# Altium PCB RockerBox_Rev01.PcbDoc (part 6 of 8) (continued)
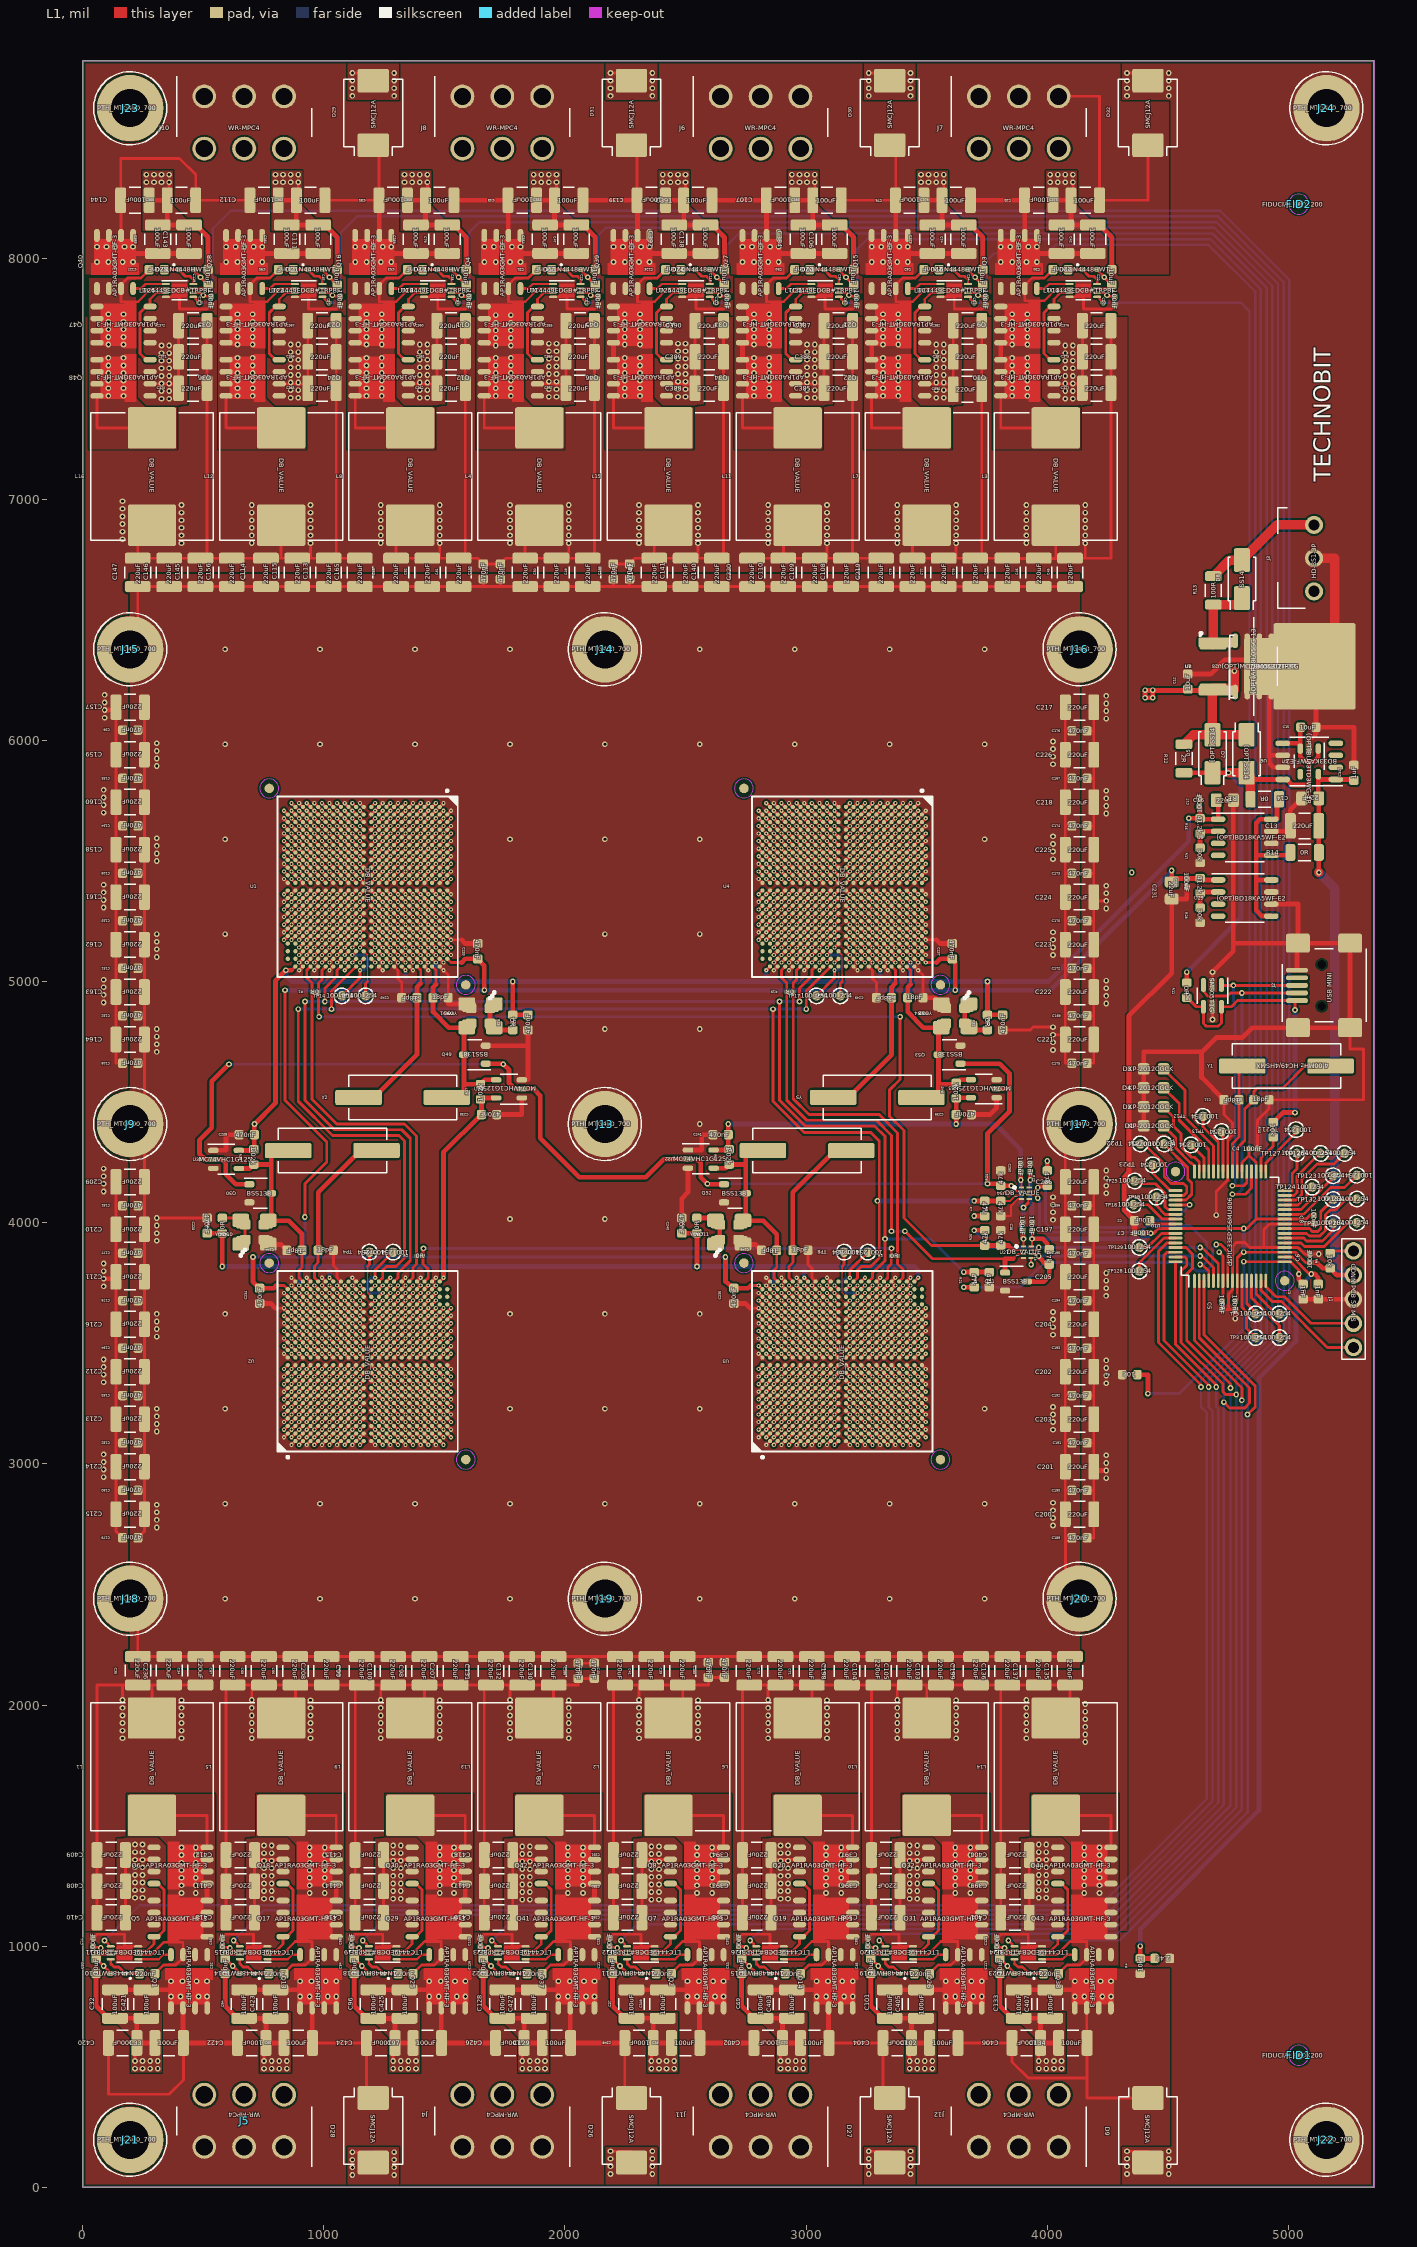
[diagram p0: L1 view]
## Nets (pads, with @x,y where several pads share a name; then routed paths per layer and width w, separated by ;. In a path a pad name is that pad's centre, name@x,y a point inside that pad or via, vN(x,y) a via of type N, cw(c..) or ccw(c..) an arc to the next point about the centre after c; other vN are vias at no path point) (continued)
v1(1433.07,3362.2) ; U2.W12@1417.32,3440.94 v1(1433.07,3456.69) ; U2.W14@1417.32,3503.94 v1(1433.07,3519.68) ; U2.W16@1417.32,3566.93 v1(1433.07,3582.68) ; U2.W18@1417.32,3629.92 v1(1433.07,3645.67) ; U2.W20@1417.32,3692.91 v1(1433.07,3708.66) ; U1.D22@1417.32,5062.99 v1(1433.07,5047.24) ; U1.D21@1417.32,5094.49 v1(1433.07,5078.74) ; U1.D19@1417.32,5157.48 v1(1433.07,5141.73) ; U1.D17@1417.32,5220.47 v1(1433.07,5204.72) ; U1.D15@1417.32,5283.46 v1(1433.07,5267.72) ; U1.D13@1417.32,5346.46 v1(1433.07,5330.71) ; U1.D11@1417.32,5409.45 v1(1433.07,5425.2) ; U1.D9@1417.32,5472.44 v1(1433.07,5488.19) ; U1.D7@1417.32,5535.43 v1(1433.07,5551.18) ; U1.D5@1417.32,5598.43 v1(1433.07,5614.17) ; U1.D3@1417.32,5661.42 v1(1433.07,5677.17) ; U1.D1@1417.32,5724.41 v1(1433.07,5740.16) ; C358.1@1421.26,8240.16 1429.13,8248.03 v2(1429.13,8314.96) ; U2.Y1@1448.82,3094.49 v1(1464.57,3078.74) ; U2.Y3@1448.82,3157.48 v1(1464.57,3141.73) ; U2.Y5@1448.82,3220.47 v1(1464.57,3204.72) ; U2.Y7@1448.82,3283.46 v1(1464.57,3267.72) ; U2.Y9@1448.82,3346.46 v1(1464.57,3330.71) ; U2.Y11@1448.82,3409.45 v1(1464.57,3393.7) ; U2.Y13@1448.82,3472.44 v1(1464.57,3488.19) ; U2.Y15@1448.82,3535.43 v1(1464.57,3551.18) ; U2.Y17@1448.82,3598.43 v1(1464.57,3614.17) ; U2.Y19@1448.82,3661.42 v1(1464.57,3677.17) ; U2.Y21@1448.82,3724.41 v1(1464.57,3740.16) ; U2.Y22@1448.82,3755.91 v1(1464.57,3771.65) ; U1.C20@1448.82,5125.98 v1(1464.57,5110.24) ; U1.C18@1448.82,5188.98 v1(1464.57,5173.23) ; U1.C16@1448.82,5251.97 v1(1464.57,5236.22) ; U1.C14@1448.82,5314.96 v1(1464.57,5299.21) ; U1.C12@1448.82,5377.95 v1(1464.57,5362.2) ; U1.C10@1448.82,5440.94 v1(1464.57,5456.69) ; U1.C8@1448.82,5503.94 v1(1464.57,5519.68) ; U1.C6@1448.82,5566.93 v1(1464.57,5582.68) ; U1.C4@1448.82,5629.92 v1(1464.57,5645.67) ; U1.C2@1448.82,5692.91 v1(1464.57,5708.66) ; C362.1@1468.5,7460.63 C362.1@1468.5,7478.94 ; C360.1@1468.5,7720.47 C361.1@1468.5,7590.55 C362.1@1468.5,7478.94 ; U18.9@1472.44,7866.14 1472.44,7839.57 1472.44,7789.37 1586.61,7789.37 C59.2@1602.36,7805.12 ; U2.AA2@1480.31,3125.98 v1(1496.06,3110.24) ; U2.AA4@1480.31,3188.98 v1(1496.06,3173.23) ; U2.AA6@1480.31,3251.97 v1(1496.06,3236.22) ; U2.AA8@1480.31,3314.96 v1(1496.06,3299.21) ; U2.AA10@1480.31,3377.95 v1(1496.06,3362.2) ; U2.AA12@1480.31,3440.94 v1(1496.06,3456.69) ; U2.AA14@1480.31,3503.94 v1(1496.06,3519.68) ; U2.AA16@1480.31,3566.93 v1(1496.06,3582.68) ; U2.AA18@1480.31,3629.92 v1(1496.06,3645.67) ; U1.B22@1480.31,5062.99 v1(1496.06,5047.24) 1515.75,5027.56 C242.2@1515.75,4933.07 ; U1.B21@1480.31,5094.49 v1(1496.06,5078.74) ; U1.B19@1480.31,5157.48 v1(1496.06,5141.73) ; U1.B17@1480.31,5220.47 v1(1496.06,5204.72) ; U1.B15@1480.31,5283.46 v1(1496.06,5267.72) ; U1.B13@1480.31,5346.46 v1(1496.06,5330.71) ; U1.B11@1480.31,5409.45 v1(1496.06,5425.2) ; U1.B9@1480.31,5472.44 v1(1496.06,5488.19) ; U1.B7@1480.31,5535.43 v1(1496.06,5551.18) ; U1.B5@1480.31,5598.43 v1(1496.06,5614.17) ; U1.B3@1480.31,5661.42 v1(1496.06,5677.17) ; U1.B1@1480.31,5724.41 v1(1496.06,5740.16) ; U2.AB3@1511.81,3157.48 v1(1527.56,3141.73) ; U2.AB5@1511.81,3220.47 v1(1527.56,3204.72) ; U2.AB7@1511.81,3283.46 v1(1527.56,3267.72) ; U2.AB9@1511.81,3346.46 v1(1527.56,3330.71) ; U2.AB11@1511.81,3409.45 v1(1527.56,3393.7) ; U2.AB13@1511.81,3472.44 v1(1527.56,3488.19) ; U2.AB15@1511.81,3535.43 v1(1527.56,3551.18) ; U2.AB17@1511.81,3598.43 v1(1527.56,3614.17) ; U1.A20@1511.81,5125.98 v1(1527.56,5110.24) ; U1.A18@1511.81,5188.98 v1(1527.56,5173.23) 1571.06,5173.23 ; U1.A16@1511.81,5251.97 v1(1527.56,5236.22) ; U1.A14@1511.81,5314.96 v1(1527.56,5299.21) ; U1.A12@1511.81,5377.95 v1(1527.56,5362.2) ; U1.A10@1511.81,5440.94 v1(1527.56,5456.69) ; U1.A8@1511.81,5503.94 v1(1527.56,5519.68) ; U1.A6@1511.81,5566.93 v1(1527.56,5582.68) ; U1.A4@1511.81,5629.92 v1(1527.56,5645.67) ; U1.A2@1511.81,5692.91 v1(1527.56,5708.66) ; C120.2@1649.61,1033.46 1665.35,1049.21 1779.53,1049.21 1779.53,999.02 U23.9@1779.53,972.44 ; C150.1@1661.42,6669.29 1661.42,6637.8 ; C19.1@1732.28,6669.29 1732.28,6637.8 ; C419.1@1783.46,1118.11 C417.1@1783.46,1248.03 C418.1@1783.46,1359.65 ; C418.1@1783.46,1377.95 C418.1@1783.46,1359.65 ; v2(1822.83,523.62) 1822.83,590.55 C426.1@1830.71,598.43 ; Q12.2@1885.83,7478.94 C357.1@2003.94,7478.94 ; Q42.2@1901.57,1359.65 1822.83,1359.65 C418.1@1783.46,1359.65 ; C353.1@1956.69,8240.16 1964.57,8248.03 v2(1964.57,8314.96) ; C357.1@2003.94,7460.63 C357.1@2003.94,7478.94 ; C355.1@2003.94,7720.47 C356.1@2003.94,7590.55 C357.1@2003.94,7478.94 ; U14.9@2007.87,7866.14 2007.87,7839.57 2007.87,7789.37 2122.05,7789.37 C27.2@2137.8,7805.12 ; C186.1@2055.12,2173.23 C185.1@2122.05,2173.23 2122.05,2200.79 ; C25.2@2185.04,1033.46 2200.79,1049.21 2314.96,1049.21 2314.96,999.02 U12.9@2314.96,972.44 ; v2(2188.98,149.61) 2275.59,149.61 D26.2@2275.59,102.36 ; v2(2188.98,8767.72) 2275.59,8767.72 D31.2@2275.59,8736.22 ; C166.1@2200.79,6669.29 2200.79,6637.8 ; C171.1@2267.72,6669.29 2267.72,6637.8 ; C352.1@2318.9,1118.11 C350.1@2318.9,1248.03 C351.1@2318.9,1359.65 ; C351.1@2318.9,1377.95 C351.1@2318.9,1359.65 ; v2(2358.27,523.62) 2358.27,590.55 C348.1@2366.14,598.43 ; Q46.2@2421.26,7478.94 C388.1@2539.37,7478.94 ; Q8.2@2437.01,1359.65 C351.1@2318.9,1359.65 ; C391.1@2492.13,8240.16 2500,8248.03 v2(2500,8314.96) ; C388.1@2539.37,7460.63 C388.1@2539.37,7478.94 ; C390.1@2539.37,7720.47 C389.1@2539.37,7590.55 C388.1@2539.37,7478.94 ; U25.9@2543.31,7866.14 2543.31,7839.57 2543.31,7789.37 2657.48,7789.37 C122.2@2673.23,7805.12 ; C188.1@2594.49,2177.17 2594.49,2200.79 ; C187.1@2661.42,2177.17 2661.42,2200.79 ; C57.2@2720.47,1033.46 2736.22,1049.21 2850.39,1049.21 2850.39,999.02 U16.9@2850.39,972.44 ; 2767.72,3645.67 v1(2803.15,3645.67) U3.A18@2818.9,3629.92 ; v1(2803.15,3110.24) U3.A2@2818.9,3125.98 ; v1(2803.15,3173.23) U3.A4@2818.9,3188.98 ; v1(2803.15,3236.22) U3.A6@2818.9,3251.97 ; v1(2803.15,3299.21) U3.A8@2818.9,3314.96 ; v1(2803.15,3362.2) U3.A10@2818.9,3377.95 ; v1(2803.15,3456.69) U3.A12@2818.9,3440.94 ; v1(2803.15,3519.68) U3.A14@2818.9,3503.94 ; v1(2803.15,3582.68) U3.A16@2818.9,3566.93 ; v1(2803.15,3708.66) U3.A20@2818.9,3692.91 ; v1(2803.15,5204.72) U4.AB17@2818.9,5220.47 ; v1(2803.15,5267.72) U4.AB15@2818.9,5283.46 ; v1(2803.15,5330.71) U4.AB13@2818.9,5346.46 ; v1(2803.15,5425.2) U4.AB11@2818.9,5409.45 ; v1(2803.15,5488.19) U4.AB9@2818.9,5472.44 ; v1(2803.15,5551.18) U4.AB7@2818.9,5535.43 ; v1(2803.15,5614.17) U4.AB5@2818.9,5598.43 ; v1(2803.15,5677.17) U4.AB3@2818.9,5661.42 ; v1(2834.65,3078.74) U3.B1@2850.39,3094.49 ; v1(2834.65,3141.73) U3.B3@2850.39,3157.48 ; v1(2834.65,3204.72) U3.B5@2850.39,3220.47 ; v1(2834.65,3267.72) U3.B7@2850.39,3283.46 ; v1(2834.65,3330.71) U3.B9@2850.39,3346.46 ; v1(2834.65,3393.7) U3.B11@2850.39,3409.45 ; v1(2834.65,3488.19) U3.B13@2850.39,3472.44 ; v1(2834.65,3551.18) U3.B15@2850.39,3535.43 ; v1(2834.65,3614.17) U3.B17@2850.39,3598.43 ; v1(2834.65,3677.17) U3.B19@2850.39,3661.42 ; v1(2834.65,3740.16) U3.B21@2850.39,3724.41 ; v1(2834.65,3771.65) U3.B22@2850.39,3755.91 ; v1(2834.65,5173.23) U4.AA18@2850.39,5188.98 ; v1(2834.65,5236.22) U4.AA16@2850.39,5251.97 ; v1(2834.65,5299.21) U4.AA14@2850.39,5314.96 ; v1(2834.65,5362.2) U4.AA12@2850.39,5377.95 ; v1(2834.65,5456.69) U4.AA10@2850.39,5440.94 ; v1(2834.65,5519.68) U4.AA8@2850.39,5503.94 ; v1(2834.65,5582.68) U4.AA6@2850.39,5566.93 ; v1(2834.65,5645.67) U4.AA4@2850.39,5629.92 ; v1(2834.65,5708.66) U4.AA2@2850.39,5692.91 ; C395.1@2854.33,1118.11 C393.1@2854.33,1248.03 C394.1@2854.33,1359.65 ; C394.1@2854.33,1377.95 C394.1@2854.33,1359.65 ; v1(2866.14,3110.24) U3.C2@2881.89,3125.98 ; v1(2866.14,3173.23) U3.C4@2881.89,3188.98 ; v1(2866.14,3236.22) U3.C6@2881.89,3251.97 ; v1(2866.14,3299.21) U3.C8@2881.89,3314.96 ; v1(2866.14,3362.2) U3.C10@2881.89,3377.95 ; v1(2866.14,3456.69) U3.C12@2881.89,3440.94 ; v1(2866.14,3519.68) U3.C14@2881.89,3503.94 ; v1(2866.14,3582.68) U3.C16@2881.89,3566.93 ; v1(2866.14,3645.67) U3.C18@2881.89,3629.92 ; v1(2866.14,3708.66) U3.C20@2881.89,3692.91 ; v1(2866.14,5047.24) U4.Y22@2881.89,5062.99 ; v1(2866.14,5078.74) U4.Y21@2881.89,5094.49 ; v1(2866.14,5141.73) U4.Y19@2881.89,5157.48 ; v1(2866.14,5204.72) U4.Y17@2881.89,5220.47 ; v1(2866.14,5267.72) U4.Y15@2881.89,5283.46 ; v1(2866.14,5330.71) U4.Y13@2881.89,5346.46 ; v1(2866.14,5425.2) U4.Y11@2881.89,5409.45 ; v1(2866.14,5488.19) U4.Y9@2881.89,5472.44 ; v1(2866.14,5551.18) U4.Y7@2881.89,5535.43 ; v1(2866.14,5614.17) U4.Y5@2881.89,5598.43 ; v1(2866.14,5677.17) U4.Y3@2881.89,5661.42 ; v1(2866.14,5740.16) U4.Y1@2881.89,5724.41 ; v2(2893.7,523.62) 2893.7,590.55 C402.1@2901.57,598.43 ; v1(2897.64,3078.74) U3.D1@2913.39,3094.49 ; v1(2897.64,3141.73) U3.D3@2913.39,3157.48 ; v1(2897.64,3204.72) U3.D5@2913.39,3220.47 ; v1(2897.64,3267.72) U3.D7@2913.39,3283.46 ; v1(2897.64,3330.71) U3.D9@2913.39,3346.46 ; v1(2897.64,3393.7) U3.D11@2913.39,3409.45 ; v1(2897.64,3488.19) U3.D13@2913.39,3472.44 ; v1(2897.64,3551.18) U3.D15@2913.39,3535.43 ; v1(2897.64,3614.17) U3.D17@2913.39,3598.43 ; v1(2897.64,3677.17) U3.D19@2913.39,3661.42 ; v1(2897.64,3740.16) U3.D21@2913.39,3724.41 ; v1(2897.64,3771.65) U3.D22@2913.39,3755.91 ; v1(2897.64,5110.24) U4.W20@2913.39,5125.98 ; v1(2897.64,5173.23) U4.W18@2913.39,5188.98 ; v1(2897.64,5236.22) U4.W16@2913.39,5251.97 ; v1(2897.64,5299.21) U4.W14@2913.39,5314.96 ; v1(2897.64,5362.2) U4.W12@2913.39,5377.95 ; v1(2897.64,5456.69) U4.W10@2913.39,5440.94 ; v1(2897.64,5519.68) U4.W8@2913.39,5503.94 ; v1(2897.64,5582.68) U4.W6@2913.39,5566.93 ; v1(2897.64,5645.67) U4.W4@2913.39,5629.92 ; v1(2897.64,5708.66) U4.W2@2913.39,5692.91 ; v1(2929.13,3110.24) U3.E2@2944.88,3125.98 ; v1(2929.13,3173.23) U3.E4@2944.88,3188.98 ; v1(2929.13,3236.22) U3.E6@2944.88,3251.97 ; v1(2929.13,3299.21) U3.E8@2944.88,3314.96 ; v1(2929.13,3362.2) U3.E10@2944.88,3377.95 ; v1(2929.13,3456.69) U3.E12@2944.88,3440.94 ; v1(2929.13,3519.68) U3.E14@2944.88,3503.94 ; v1(2929.13,3582.68) U3.E16@2944.88,3566.93 ; v1(2929.13,3645.67) U3.E18@2944.88,3629.92 ; v1(2929.13,3708.66) U3.E20@2944.88,3692.91 ; v1(2929.13,5047.24) U4.V22@2944.88,5062.99 ; v1(2929.13,5078.74) U4.V21@2944.88,5094.49 ; v1(2929.13,5141.73) U4.V19@2944.88,5157.48 ; v1(2929.13,5204.72) U4.V17@2944.88,5220.47 ; v1(2929.13,5267.72) U4.V15@2944.88,5283.46 ; v1(2929.13,5330.71) U4.V13@2944.88,5346.46 ; v1(2929.13,5425.2) U4.V11@2944.88,5409.45 ; v1(2929.13,5488.19) U4.V9@2944.88,5472.44 ; v1(2929.13,5551.18) U4.V7@2944.88,5535.43 ; v1(2929.13,5614.17) U4.V5@2944.88,5598.43 ; v1(2929.13,5677.17) U4.V3@2944.88,5661.42 ; v1(2929.13,5740.16) U4.V1@2944.88,5724.41 ; Q34.2@2956.69,7478.94 C385.1@3074.8,7478.94 ; v1(2960.63,3078.74) U3.F1@2976.38,3094.49 ; v1(2960.63,3141.73) U3.F3@2976.38,3157.48 ; v1(2960.63,3204.72) U3.F5@2976.38,3220.47 ; v1(2960.63,3267.72) U3.F7@2976.38,3283.46 ; v1(2960.63,3330.71) U3.F9@2976.38,3346.46 ; v1(2960.63,3393.7) U3.F11@2976.38,3409.45 ; v1(2960.63,3488.19) U3.F13@2976.38,3472.44 ; v1(2960.63,3551.18) U3.F15@2976.38,3535.43 ; v1(2960.63,3614.17) U3.F17@2976.38,3598.43 ; v1(2960.63,3677.17) U3.F19@2976.38,3661.42 ; v1(2960.63,3740.16) U3.F21@2976.38,3724.41 ; v1(2960.63,3771.65) U3.F22@2976.38,3755.91 ; v1(2960.63,5110.24) U4.U20@2976.38,5125.98 ; v1(2960.63,5173.23) U4.U18@2976.38,5188.98 ; v1(2960.63,5236.22) U4.U16@2976.38,5251.97 ; v1(2960.63,5299.21) U4.U14@2976.38,5314.96 ; v1(2960.63,5362.2) U4.U12@2976.38,5377.95 ; v1(2960.63,5456.69) U4.U10@2976.38,5440.94 ; v1(2960.63,5519.68) U4.U8@2976.38,5503.94 ; v1(2960.63,5582.68) U4.U6@2976.38,5566.93 ; v1(2960.63,5645.67) U4.U4@2976.38,5629.92 ; v1(2960.63,5708.66) U4.U2@2976.38,5692.91 ; Q20.2@2972.44,1359.65 C394.1@2854.33,1359.65 ; v1(2992.13,3110.24) U3.G2@3007.87,3125.98 ; v1(2992.13,3173.23) U3.G4@3007.87,3188.98 ; v1(2992.13,3236.22) U3.G6@3007.87,3251.97 ; v1(2992.13,3299.21) U3.G8@3007.87,3314.96 ; v1(2992.13,3362.2) U3.G10@3007.87,3377.95 ; v1(2992.13,3456.69) U3.G12@3007.87,3440.94 ; v1(2992.13,3519.68) U3.G14@3007.87,3503.94 ; v1(2992.13,3582.68) U3.G16@3007.87,3566.93 ; v1(2992.13,3645.67) U3.G18@3007.87,3629.92 ; v1(2992.13,3708.66) U3.G20@3007.87,3692.91 ; v1(2992.13,5047.24) U4.T22@3007.87,5062.99 ; v1(2992.13,5078.74) U4.T21@3007.87,5094.49 ; v1(2992.13,5141.73) U4.T19@3007.87,5157.48 ; v1(2992.13,5204.72) U4.T17@3007.87,5220.47 ; v1(2992.13,5267.72) U4.T15@3007.87,5283.46 ; v1(2992.13,5330.71) U4.T13@3007.87,5346.46 ; v1(2992.13,5425.2) U4.T11@3007.87,5409.45 ; v1(2992.13,5488.19) U4.T9@3007.87,5472.44 ; v1(2992.13,5551.18) U4.T7@3007.87,5535.43 ; v1(2992.13,5614.17) U4.T5@3007.87,5598.43 ; v1(2992.13,5677.17) U4.T3@3007.87,5661.42 ; v1(2992.13,5740.16) U4.T1@3007.87,5724.41 ; C247.2@3007.87,3885.83 3007.87,3826.77 3023.62,3811.02 3023.62,3771.65 U3.H22@3039.37,3755.91 ; v1(3023.62,3078.74) U3.H1@3039.37,3094.49 ; v1(3023.62,3141.73) U3.H3@3039.37,3157.48 ; v1(3023.62,3204.72) U3.H5@3039.37,3220.47 ; v1(3023.62,3267.72) U3.H7@3039.37,3283.46 ; v1(3023.62,3330.71) U3.H9@3039.37,3346.46 ; v1(3023.62,3393.7) U3.H11@3039.37,3409.45 ; v1(3023.62,3488.19) U3.H13@3039.37,3472.44 ; v1(3023.62,3551.18) U3.H15@3039.37,3535.43 ; v1(3023.62,3614.17) U3.H17@3039.37,3598.43 ; v1(3023.62,3677.17) U3.H19@3039.37,3661.42 ; v1(3023.62,3740.16) U3.H21@3039.37,3724.41 ; v1(3023.62,5110.24) U4.R20@3039.37,5125.98 ; v1(3023.62,5173.23) U4.R18@3039.37,5188.98 ; v1(3023.62,5236.22) U4.R16@3039.37,5251.97 ; v1(3023.62,5299.21) U4.R14@3039.37,5314.96 ; v1(3023.62,5362.2) U4.R12@3039.37,5377.95 ; v1(3023.62,5456.69) U4.R10@3039.37,5440.94 ; v1(3023.62,5519.68) U4.R8@3039.37,5503.94 ; v1(3023.62,5582.68) U4.R6@3039.37,5566.93 ; v1(3023.62,5645.67) U4.R4@3039.37,5629.92 ; v1(3023.62,5708.66) U4.R2@3039.37,5692.91 ; C383.1@3027.56,8240.16 3035.43,8248.03 v2(3035.43,8314.96) ; v1(3055.12,3110.24) U3.J2@3070.87,3125.98 ; v1(3055.12,3173.23) U3.J4@3070.87,3188.98 ; v1(3055.12,3236.22) U3.J6@3070.87,3251.97 ; v1(3055.12,3299.21) U3.J8@3070.87,3314.96 ; v1(3055.12,3362.2) U3.J10@3070.87,3377.95 ; v1(3055.12,3456.69) U3.J12@3070.87,3440.94 ; v1(3055.12,3519.68) U3.J14@3070.87,3503.94 ; v1(3055.12,3582.68) U3.J16@3070.87,3566.93 ; v1(3055.12,3645.67) U3.J18@3070.87,3629.92 ; v1(3055.12,3708.66) U3.J20@3070.87,3692.91 ; v1(3055.12,5047.24) U4.P22@3070.87,5062.99 ; v1(3055.12,5078.74) U4.P21@3070.87,5094.49 ; v1(3055.12,5141.73) U4.P19@3070.87,5157.48 ; v1(3055.12,5204.72) U4.P17@3070.87,5220.47 ; v1(3055.12,5267.72) U4.P15@3070.87,5283.46 ; v1(3055.12,5330.71) U4.P13@3070.87,5346.46 ; v1(3055.12,5425.2) U4.P11@3070.87,5409.45 ; v1(3055.12,5488.19) U4.P9@3070.87,5472.44 ; v1(3055.12,5551.18) U4.P7@3070.87,5535.43 ; v1(3055.12,5614.17) U4.P5@3070.87,5598.43 ; v1(3055.12,5677.17) U4.P3@3070.87,5661.42 ; v1(3055.12,5740.16) U4.P1@3070.87,5724.41 ; C385.1@3074.8,7460.63 C385.1@3074.8,7478.94 ; C387.1@3074.8,7720.47 C386.1@3074.8,7590.55 C385.1@3074.8,7478.94 ; U21.9@3078.74,7866.14 3078.74,7839.57 3078.74,7789.37 3192.91,7789.37 C90.2@3208.66,7805.12 ; v1(3086.61,3078.74) U3.K1@3102.36,3094.49 ; v1(3086.61,3141.73) U3.K3@3102.36,3157.48 ; v1(3086.61,3204.72) U3.K5@3102.36,3220.47 ; v1(3086.61,3267.72) U3.K7@3102.36,3283.46 ; v1(3086.61,3330.71) U3.K9@3102.36,3346.46 ; v1(3086.61,3393.7) U3.K11@3102.36,3409.45 ; v1(3086.61,3488.19) U3.K13@3102.36,3472.44 ; v1(3086.61,3551.18) U3.K15@3102.36,3535.43 ; v1(3086.61,3614.17) U3.K17@3102.36,3598.43 ; v1(3086.61,3677.17) U3.K19@3102.36,3661.42 ; v1(3086.61,3740.16) U3.K21@3102.36,3724.41 ; v1(3086.61,3771.65) U3.K22@3102.36,3755.91 ; v1(3086.61,5173.23) U4.N18@3102.36,5188.98 ; v1(3086.61,5236.22) U4.N16@3102.36,5251.97 ; v1(3086.61,5299.21) U4.N14@3102.36,5314.96 ; v1(3086.61,5362.2) U4.N12@3102.36,5377.95 ; v1(3086.61,5456.69) U4.N10@3102.36,5440.94 ; v1(3086.61,5519.68) U4.N8@3102.36,5503.94 ; v1(3086.61,5582.68) U4.N6@3102.36,5566.93 ; v1(3086.61,5645.67) U4.N4@3102.36,5629.92 ; v1(3086.61,5708.66) U4.N2@3102.36,5692.91 ; v1(3118.11,3110.24) U3.L2@3133.86,3125.98 ; v1(3118.11,3173.23) U3.L4@3133.86,3188.98 ; v1(3118.11,3236.22) U3.L6@3133.86,3251.97 ; v1(3118.11,3299.21) U3.L8@3133.86,3314.96 ; v1(3118.11,3362.2) U3.L10@3133.86,3377.95 ; v1(3118.11,3456.69) U3.L12@3133.86,3440.94 ; v1(3118.11,3519.68) U3.L14@3133.86,3503.94 ; v1(3118.11,3582.68) U3.L16@3133.86,3566.93 ; v1(3118.11,3645.67) U3.L18@3133.86,3629.92 ; v1(3118.11,3708.66) U3.L20@3133.86,3692.91 ; v1(3118.11,5078.74) U4.M21@3133.86,5094.49 ; v1(3118.11,5141.73) U4.M19@3133.86,5157.48 ; v1(3118.11,5204.72) U4.M17@3133.86,5220.47 ; v1(3118.11,5267.72) U4.M15@3133.86,5283.46 ; v1(3118.11,5330.71) U4.M13@3133.86,5346.46 ; v1(3118.11,5425.2) U4.M11@3133.86,5409.45 ; v1(3118.11,5488.19) U4.M9@3133.86,5472.44 ; v1(3118.11,5551.18) U4.M7@3133.86,5535.43 ; v1(3118.11,5614.17) U4.M5@3133.86,5598.43 ; v1(3118.11,5677.17) U4.M3@3133.86,5661.42 ; v1(3118.11,5740.16) U4.M1@3133.86,5724.41 ; U3.M1@3165.35,3094.49 v1(3181.1,3078.74) ; U3.M3@3165.35,3157.48 v1(3181.1,3141.73) ; U3.M5@3165.35,3220.47 v1(3181.1,3204.72) ; U3.M7@3165.35,3283.46 v1(3181.1,3267.72) ; U3.M9@3165.35,3346.46 v1(3181.1,3330.71) ; U3.M11@3165.35,3409.45 v1(3181.1,3393.7) ; U3.M13@3165.35,3472.44 v1(3181.1,3488.19) ; U3.M15@3165.35,3535.43 v1(3181.1,3551.18) ; U3.M17@3165.35,3598.43 v1(3181.1,3614.17) ; U3.M19@3165.35,3661.42 v1(3181.1,3677.17) ; U3.M21@3165.35,3724.41 v1(3181.1,3740.16) ; U4.L20@3165.35,5125.98 v1(3181.1,5110.24) ; U4.L18@3165.35,5188.98 v1(3181.1,5173.23) ; U4.L16@3165.35,5251.97 v1(3181.1,5236.22) ; U4.L14@3165.35,5314.96 v1(3181.1,5299.21) ; U4.L12@3165.35,5377.95 v1(3181.1,5362.2) ; U4.L10@3165.35,5440.94 v1(3181.1,5456.69) ; U4.L8@3165.35,5503.94 v1(3181.1,5519.68) ; U4.L6@3165.35,5566.93 v1(3181.1,5582.68) ; U4.L4@3165.35,5629.92 v1(3181.1,5645.67) ; U4.L2@3165.35,5692.91 v1(3181.1,5708.66) ; U3.N2@3196.85,3125.98 v1(3212.6,3110.24) ; U3.N4@3196.85,3188.98 v1(3212.6,3173.23) ; U3.N6@3196.85,3251.97 v1(3212.6,3236.22) ; U3.N8@3196.85,3314.96 v1(3212.6,3299.21) ; U3.N10@3196.85,3377.95 v1(3212.6,3362.2) ; U3.N12@3196.85,3440.94 v1(3212.6,3456.69) ; U3.N14@3196.85,3503.94 v1(3212.6,3519.68) ; U3.N16@3196.85,3566.93 v1(3212.6,3582.68) ; U3.N18@3196.85,3629.92 v1(3212.6,3645.67) ; U4.K22@3196.85,5062.99 v1(3212.6,5047.24) ; U4.K21@3196.85,5094.49 v1(3212.6,5078.74) ; U4.K19@3196.85,5157.48 v1(3212.6,5141.73) ; U4.K17@3196.85,5220.47 v1(3212.6,5204.72) ; U4.K15@3196.85,5283.46 v1(3212.6,5267.72) ; U4.K13@3196.85,5346.46 v1(3212.6,5330.71) ; U4.K11@3196.85,5409.45 v1(3212.6,5425.2) ; U4.K9@3196.85,5472.44 v1(3212.6,5488.19) ; U4.K7@3196.85,5535.43 v1(3212.6,5551.18) ; U4.K5@3196.85,5598.43 v1(3212.6,5614.17) ; U4.K3@3196.85,5661.42 v1(3212.6,5677.17) ; U4.K1@3196.85,5724.41 v1(3212.6,5740.16) ; U3.P1@3228.35,3094.49 v1(3244.09,3078.74) ; U3.P3@3228.35,3157.48 v1(3244.09,3141.73) ; U3.P5@3228.35,3220.47 v1(3244.09,3204.72) ; U3.P7@3228.35,3283.46 v1(3244.09,3267.72) ; U3.P9@3228.35,3346.46 v1(3244.09,3330.71) ; U3.P11@3228.35,3409.45 v1(3244.09,3393.7) ; U3.P13@3228.35,3472.44 v1(3244.09,3488.19) ; U3.P15@3228.35,3535.43 v1(3244.09,3551.18) ; U3.P17@3228.35,3598.43 v1(3244.09,3614.17) ; U3.P19@3228.35,3661.42 v1(3244.09,3677.17) ; U3.P21@3228.35,3724.41 v1(3244.09,3740.16) ; U3.P22@3228.35,3755.91 v1(3244.09,3771.65) ; U4.J20@3228.35,5125.98 v1(3244.09,5110.24) ; U4.J18@3228.35,5188.98 v1(3244.09,5173.23) ; U4.J16@3228.35,5251.97 v1(3244.09,5236.22) ; U4.J14@3228.35,5314.96 v1(3244.09,5299.21) ; U4.J12@3228.35,5377.95 v1(3244.09,5362.2) ; U4.J10@3228.35,5440.94 v1(3244.09,5456.69) ; U4.J8@3228.35,5503.94 v1(3244.09,5519.68) ; U4.J6@3228.35,5566.93 v1(3244.09,5582.68) ; U4.J4@3228.35,5629.92 v1(3244.09,5645.67) ; U4.J2@3228.35,5692.91 v1(3244.09,5708.66) ; C89.2@3255.91,1033.46 3271.65,1049.21 3385.83,1049.21 3385.83,999.02 U20.9@3385.83,972.44 ; v2(3259.84,149.61) 3346.46,149.61 D27.2@3346.46,102.36 ; U3.R2@3259.84,3125.98 v1(3275.59,3110.24) ; U3.R4@3259.84,3188.98 v1(3275.59,3173.23) ; U3.R6@3259.84,3251.97 v1(3275.59,3236.22) ; U3.R8@3259.84,3314.96 v1(3275.59,3299.21) ; U3.R10@3259.84,3377.95 v1(3275.59,3362.2) ; U3.R12@3259.84,3440.94 v1(3275.59,3456.69) ; U3.R14@3259.84,3503.94 v1(3275.59,3519.68) ; U3.R16@3259.84,3566.93 v1(3275.59,3582.68) ; U3.R18@3259.84,3629.92 v1(3275.59,3645.67) ; U3.R20@3259.84,3692.91 v1(3275.59,3708.66) ; U4.H22@3259.84,5062.99 3275.59,5047.24 3275.59,5011.81 3291.54,4995.87 3291.54,4933.27 C249.2@3291.34,4933.07 ; U4.H21@3259.84,5094.49 v1(3275.59,5078.74) ; U4.H19@3259.84,5157.48 v1(3275.59,5141.73) ; U4.H17@3259.84,5220.47 v1(3275.59,5204.72) ; U4.H15@3259.84,5283.46 v1(3275.59,5267.72) ; U4.H13@3259.84,5346.46 v1(3275.59,5330.71) ; U4.H11@3259.84,5409.45 v1(3275.59,5425.2) ; U4.H9@3259.84,5472.44 v1(3275.59,5488.19) ; U4.H7@3259.84,5535.43 v1(3275.59,5551.18) ; U4.H5@3259.84,5598.43 v1(3275.59,5614.17) ; U4.H3@3259.84,5661.42 v1(3275.59,5677.17) ; U4.H1@3259.84,5724.41 v1(3275.59,5740.16) ; v2(3259.84,8767.72) 3346.46,8767.72 D30.2@3346.46,8736.22 ; U3.T1@3291.34,3094.49 v1(3307.09,3078.74) ; U3.T3@3291.34,3157.48 v1(3307.09,3141.73) ; U3.T5@3291.34,3220.47 v1(3307.09,3204.72) ; U3.T7@3291.34,3283.46 v1(3307.09,3267.72) ; U3.T9@3291.34,3346.46 v1(3307.09,3330.71) ; U3.T11@3291.34,3409.45 v1(3307.09,3393.7) ; U3.T13@3291.34,3472.44 v1(3307.09,3488.19) ; U3.T15@3291.34,3535.43 v1(3307.09,3551.18) ; U3.T17@3291.34,3598.43 v1(3307.09,3614.17) ; U3.T19@3291.34,3661.42 v1(3307.09,3677.17) ; U3.T21@3291.34,3724.41 v1(3307.09,3740.16) ; U3.T22@3291.34,3755.91 v1(3307.09,3771.65) ; U4.G20@3291.34,5125.98 v1(3307.09,5110.24) ; U4.G18@3291.34,5188.98 v1(3307.09,5173.23) ; U4.G16@3291.34,5251.97 v1(3307.09,5236.22) ; U4.G14@3291.34,5314.96 v1(3307.09,5299.21) ; U4.G12@3291.34,5377.95 v1(3307.09,5362.2) ; U4.G10@3291.34,5440.94 v1(3307.09,5456.69) ; U4.G8@3291.34,5503.94 v1(3307.09,5519.68) ; U4.G6@3291.34,5566.93 v1(3307.09,5582.68) ; U4.G4@3291.34,5629.92 v1(3307.09,5645.67) ; U4.G2@3291.34,5692.91 v1(3307.09,5708.66) ; U3.U2@3322.83,3125.98 v1(3338.58,3110.24) ; U3.U4@3322.83,3188.98 v1(3338.58,3173.23) ; U3.U6@3322.83,3251.97 v1(3338.58,3236.22) ; U3.U8@3322.83,3314.96 v1(3338.58,3299.21) ; U3.U10@3322.83,3377.95 v1(3338.58,3362.2) ; U3.U12@3322.83,3440.94 v1(3338.58,3456.69) ; U3.U14@3322.83,3503.94 v1(3338.58,3519.68) ; U3.U16@3322.83,3566.93 v1(3338.58,3582.68) ; U3.U18@3322.83,3629.92 v1(3338.58,3645.67) ; U3.U20@3322.83,3692.91 v1(3338.58,3708.66) ; U4.F22@3322.83,5062.99 v1(3338.58,5047.24) ; U4.F21@3322.83,5094.49 v1(3338.58,5078.74) ; U4.F19@3322.83,5157.48 v1(3338.58,5141.73) ; U4.F17@3322.83,5220.47 v1(3338.58,5204.72) ; U4.F15@3322.83,5283.46 v1(3338.58,5267.72) ; U4.F13@3322.83,5346.46 v1(3338.58,5330.71) ; U4.F11@3322.83,5409.45 v1(3338.58,5425.2) ; U4.F9@3322.83,5472.44 v1(3338.58,5488.19) ; U4.F7@3322.83,5535.43 v1(3338.58,5551.18) ; U4.F5@3322.83,5598.43 v1(3338.58,5614.17) ; U4.F3@3322.83,5661.42 v1(3338.58,5677.17) ; U4.F1@3322.83,5724.41 v1(3338.58,5740.16) ; U3.V1@3354.33,3094.49 v1(3370.08,3078.74) ; U3.V3@3354.33,3157.48 v1(3370.08,3141.73) ; U3.V5@3354.33,3220.47 v1(3370.08,3204.72) ; U3.V7@3354.33,3283.46 v1(3370.08,3267.72) ; U3.V9@3354.33,3346.46 v1(3370.08,3330.71) ; U3.V11@3354.33,3409.45 v1(3370.08,3393.7) ; U3.V13@3354.33,3472.44 v1(3370.08,3488.19) ; U3.V15@3354.33,3535.43 v1(3370.08,3551.18) ; U3.V17@3354.33,3598.43 v1(3370.08,3614.17) ; U3.V19@3354.33,3661.42 v1(3370.08,3677.17) ; U3.V21@3354.33,3724.41 v1(3370.08,3740.16) ; U3.V22@3354.33,3755.91 v1(3370.08,3771.65) ; U4.E20@3354.33,5125.98 v1(3370.08,5110.24) ; U4.E18@3354.33,5188.98 v1(3370.08,5173.23) ; U4.E16@3354.33,5251.97 v1(3370.08,5236.22) ; U4.E14@3354.33,5314.96 v1(3370.08,5299.21) ; U4.E12@3354.33,5377.95 v1(3370.08,5362.2) ; U4.E10@3354.33,5440.94 v1(3370.08,5456.69) ; U4.E8@3354.33,5503.94 v1(3370.08,5519.68) ; U4.E6@3354.33,5566.93 v1(3370.08,5582.68) ; U4.E4@3354.33,5629.92 v1(3370.08,5645.67) ; U4.E2@3354.33,5692.91 v1(3370.08,5708.66) ; U3.W2@3385.83,3125.98 v1(3401.57,3110.24) ; U3.W4@3385.83,3188.98 v1(3401.57,3173.23) ; U3.W6@3385.83,3251.97 v1(3401.57,3236.22) ; U3.W8@3385.83,3314.96 v1(3401.57,3299.21) ; U3.W10@3385.83,3377.95 v1(3401.57,3362.2) ; U3.W12@3385.83,3440.94 v1(3401.57,3456.69) ; U3.W14@3385.83,3503.94 v1(3401.57,3519.68) ; U3.W16@3385.83,3566.93 v1(3401.57,3582.68) ; U3.W18@3385.83,3629.92 v1(3401.57,3645.67) ; U3.W20@3385.83,3692.91 v1(3401.57,3708.66) ; U4.D22@3385.83,5062.99 v1(3401.57,5047.24) ; U4.D21@3385.83,5094.49 v1(3401.57,5078.74) ; U4.D19@3385.83,5157.48 v1(3401.57,5141.73) ; U4.D17@3385.83,5220.47 v1(3401.57,5204.72) ; U4.D15@3385.83,5283.46 v1(3401.57,5267.72) ; U4.D13@3385.83,5346.46 v1(3401.57,5330.71) ; U4.D11@3385.83,5409.45 v1(3401.57,5425.2) ; U4.D9@3385.83,5472.44 v1(3401.57,5488.19) ; U4.D7@3385.83,5535.43 v1(3401.57,5551.18) ; U4.D5@3385.83,5598.43 v1(3401.57,5614.17) ; U4.D3@3385.83,5661.42 v1(3401.57,5677.17) ; U4.D1@3385.83,5724.41 v1(3401.57,5740.16) ; C398.1@3389.76,1118.11 C397.1@3389.76,1359.65 ; C397.1@3389.76,1377.95 C397.1@3389.76,1359.65 ; U3.Y1@3417.32,3094.49 v1(3433.07,3078.74) ; U3.Y3@3417.32,3157.48 v1(3433.07,3141.73) ; U3.Y5@3417.32,3220.47 v1(3433.07,3204.72) ; U3.Y7@3417.32,3283.46 v1(3433.07,3267.72) ; U3.Y9@3417.32,3346.46 v1(3433.07,3330.71) ; U3.Y11@3417.32,3409.45 v1(3433.07,3393.7) ; U3.Y13@3417.32,3472.44 v1(3433.07,3488.19) ; U3.Y15@3417.32,3535.43 v1(3433.07,3551.18) ; U3.Y17@3417.32,3598.43 v1(3433.07,3614.17) ; U3.Y19@3417.32,3661.42 v1(3433.07,3677.17) ; U3.Y21@3417.32,3724.41 v1(3433.07,3740.16) ; U3.Y22@3417.32,3755.91 v1(3433.07,3771.65) ; U4.C20@3417.32,5125.98 v1(3433.07,5110.24) ; U4.C18@3417.32,5188.98 v1(3433.07,5173.23) ; U4.C16@3417.32,5251.97 v1(3433.07,5236.22) ; U4.C14@3417.32,5314.96 v1(3433.07,5299.21) ; U4.C12@3417.32,5377.95 v1(3433.07,5362.2) ; U4.C10@3417.32,5440.94 v1(3433.07,5456.69) ; U4.C8@3417.32,5503.94 v1(3433.07,5519.68) ; U4.C6@3417.32,5566.93 v1(3433.07,5582.68) ; U4.C4@3417.32,5629.92 v1(3433.07,5645.67) ; U4.C2@3417.32,5692.91 v1(3433.07,5708.66) ; v2(3429.13,523.62) 3429.13,590.55 C404.1@3437.01,598.43 ; U3.AA2@3448.82,3125.98 v1(3464.57,3110.24) ; U3.AA4@3448.82,3188.98 v1(3464.57,3173.23) ; U3.AA6@3448.82,3251.97 v1(3464.57,3236.22) ; U3.AA8@3448.82,3314.96 v1(3464.57,3299.21) ; U3.AA10@3448.82,3377.95 v1(3464.57,3362.2) ; U3.AA12@3448.82,3440.94 v1(3464.57,3456.69) ; U3.AA14@3448.82,3503.94 v1(3464.57,3519.68) ; U3.AA16@3448.82,3566.93 v1(3464.57,3582.68) ; U3.AA18@3448.82,3629.92 v1(3464.57,3645.67) ; U4.B22@3448.82,5062.99 v1(3464.57,5047.24) 3484.25,5027.56 C248.2@3484.25,4933.07 ; U4.B21@3448.82,5094.49 v1(3464.57,5078.74) ; U4.B19@3448.82,5157.48 v1(3464.57,5141.73) ; U4.B17@3448.82,5220.47 v1(3464.57,5204.72) ; U4.B15@3448.82,5283.46 v1(3464.57,5267.72) ; U4.B13@3448.82,5346.46 v1(3464.57,5330.71) ; U4.B11@3448.82,5409.45 v1(3464.57,5425.2) ; U4.B9@3448.82,5472.44 v1(3464.57,5488.19) ; U4.B7@3448.82,5535.43 v1(3464.57,5551.18) ; U4.B5@3448.82,5598.43 v1(3464.57,5614.17) ; U4.B3@3448.82,5661.42 v1(3464.57,5677.17) ; U4.B1@3448.82,5724.41 v1(3464.57,5740.16) ; U3.AB3@3480.31,3157.48 v1(3496.06,3141.73) ; U3.AB5@3480.31,3220.47 v1(3496.06,3204.72) ; U3.AB7@3480.31,3283.46 v1(3496.06,3267.72) ; U3.AB9@3480.31,3346.46 v1(3496.06,3330.71) ; U3.AB11@3480.31,3409.45 v1(3496.06,3393.7) ; U3.AB13@3480.31,3472.44 v1(3496.06,3488.19) ; U3.AB15@3480.31,3535.43 v1(3496.06,3551.18) ; U3.AB17@3480.31,3598.43 v1(3496.06,3614.17) ; U4.A20@3480.31,5125.98 v1(3496.06,5110.24) ; U4.A18@3480.31,5188.98 v1(3496.06,5173.23) 3539.57,5173.23 ; U4.A16@3480.31,5251.97 v1(3496.06,5236.22) ; U4.A14@3480.31,5314.96 v1(3496.06,5299.21) ; U4.A12@3480.31,5377.95 v1(3496.06,5362.2) ; U4.A10@3480.31,5440.94 v1(3496.06,5456.69) ; U4.A8@3480.31,5503.94 v1(3496.06,5519.68) ; U4.A6@3480.31,5566.93 v1(3496.06,5582.68) ; U4.A4@3480.31,5629.92 v1(3496.06,5645.67) ; U4.A2@3480.31,5692.91 v1(3496.06,5708.66) ; Q22.2@3492.13,7478.94 C380.1@3610.24,7478.94 ; Q32.2@3507.87,1359.65 C397.1@3389.76,1359.65 ; C378.1@3562.99,8240.16 3570.87,8248.03 v2(3570.87,8314.96) ; v2(3570.87,7452.76) 3610.24,7452.76 C380.1@3610.24,7456.69 C380.1@3610.24,7478.94 ; C382.1@3610.24,7720.47 C381.1@3610.24,7590.55 C380.1@3610.24,7478.94